# Altium PCB TC264MCUV02.PcbDoc (part 2 of 2)
Units mil, origin at the board's own origin, x right, y up, seen from the top; angles counter-clockwise.
Board outline 4656.68 x 3665.15 mil, 2 copper layers (Top Layer, Bottom Layer); 112 components, 118 nets, 482 pads, 140 vias.
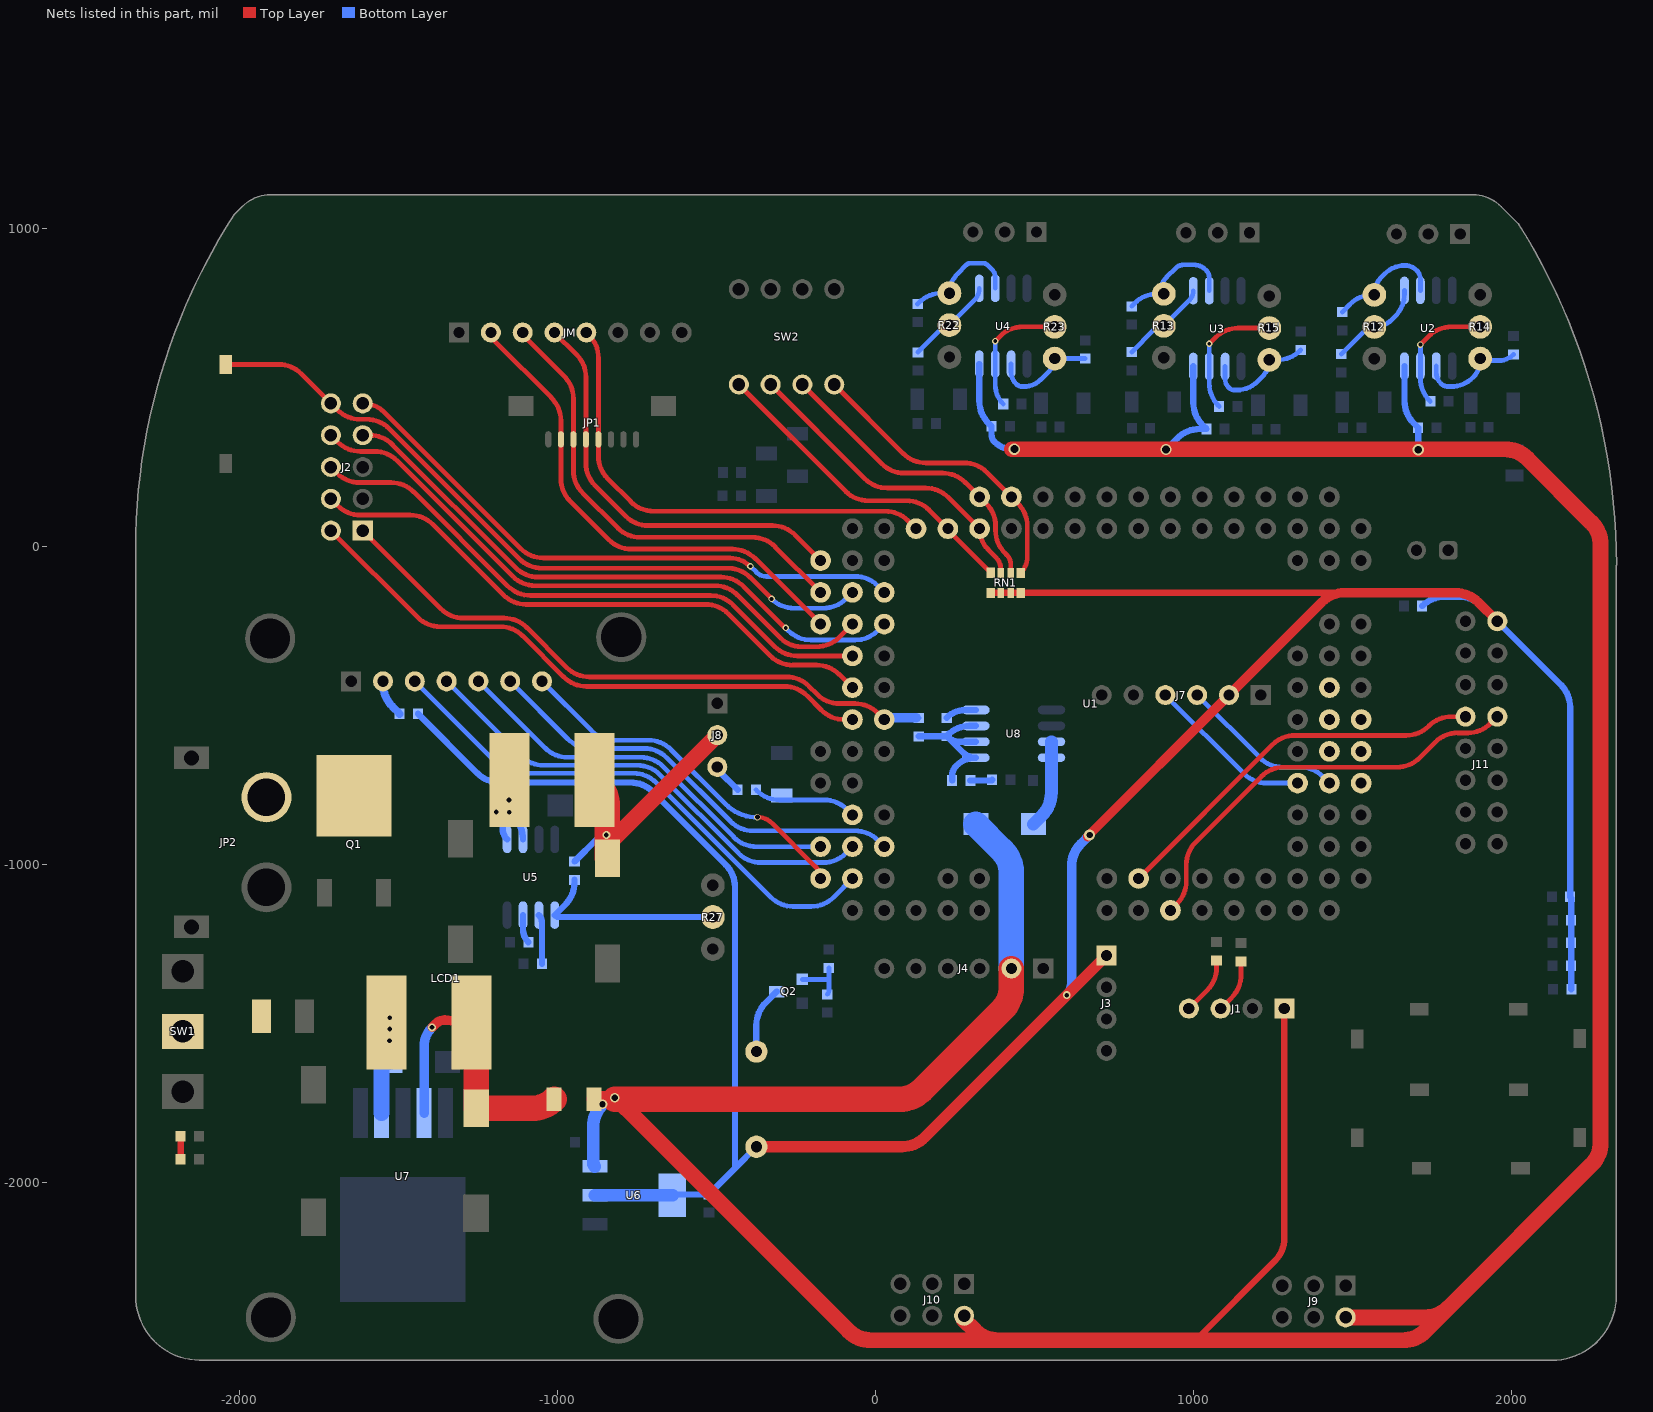
[diagram p2: the nets of this part, all layers, seen from the top]

## Via types
v1: diameter 25, hole 15, Top Layer to Bottom Layer, tented both sides, 119 vias
v2: diameter 20, hole 12, Top Layer to Bottom Layer, tented both sides, 14 vias
v3: diameter 35, hole 25, Top Layer to Bottom Layer, tented both sides, 3 vias
v4: diameter 30, hole 20, Top Layer to Bottom Layer, tented both sides, 2 vias
v5: diameter 35, hole 20, Top Layer to Bottom Layer, tented both sides, 1 vias
v6: diameter 20, hole 15, Top Layer to Bottom Layer, tented both sides, 1 vias

## Nets (pads, with @x,y where several pads share a name; then routed paths per layer and width w, separated by ;. In a path a pad name is that pad's centre, name@x,y a point inside that pad or via, vN(x,y) a via of type N, cw(c..) or ccw(c..) an arc to the next point about the centre after c; other vN are vias at no path point) (continued)
NetC16_1: C16.1 F2.1 L2.1 U7.4 | length 912.3
  Top Layer w30: v1(-1396,-1513) -1385.02,-1502.02 cw(c-1356,-1531.04) -1356,-1490 -1355.56,-1490 cw(c-1355.56,-1590) -1284.85,-1519.29 L2.1@-1282.14,-1522
  Top Layer w80: L2.1@-1282.14,-1522 cw(c-1342.84,-1582.7) -1257,-1582.7 C16.1@-1257,-1767.65 -1081.14,-1767.65 ccw(c-1081.14,-1669.84) F2.1@-1011.99,-1739
  Bottom Layer w30: U7.4@-1421,-1783 -1421,-1573.36 cw(c-1335.64,-1573.36) v1(-1396,-1513)
NetC17_2: C17.2 D12.2 U8.3 U8.4 | length 278.2
  Bottom Layer w40: D12.2@495,-874 521.71,-847.29 ccw(c451,-776.58) 551,-776.58 ccw(c548.59,-774.16) 552,-774.16 U8.4@552,-665 U8.3@552,-615
NetC18_1: C19.1 R38.1 R40.2 U8.5 U8.6 U8.7 | length 520.9
  Bottom Layer w20: R38.1@135,-598 219.59,-598 ccw(c219.59,-594.59) R40.2@222,-597 224.71,-594.29 cw(c295.42,-665) 295.42,-565 U8.7@314,-565 ; C19.1@239.52,-737 239.52,-721.9 cw(c283.99,-721.9) 252.54,-690.46 cw(c314,-751.91) U8.5@314,-665 cw(c314,-607.06) 273.03,-648.03 R40.2@222,-597 ccw(c265.46,-553.54) 265.46,-615 U8.6@314,-615
NetC19_2: C19.2 R41.2 | length 69.1
  Bottom Layer w20: C19.2@297,-737 360.69,-737 ccw(c360.69,-730.17) R41.2@365.52,-735
NetD10_2: D10.2 L1.1 U5.5 U5.6 | length 255.2
  Bottom Layer w20: D10.2@-1166.42,-825.87 cw(c-1181.92,-841.37) D10.2@-1160,-841.37 ; U5.5@-1160,-922 cw(c-1126.2,-888.2) -1174,-888.2 D10.2@-1174,-816 v1(-1153,-837) -1139.29,-850.71 cw(c-1210,-921.42) -1110,-921.42 U5.6@-1110,-922
  other v1: -1194,-836 -1154,-798
NetD11_A: D11.A R30.1 | length 72
  Top Layer w20: D11.A@-2186.74,-1928 R30.1@-2186.74,-1856
NetD13_2: D13.2 L2.2 U7.2 | length 304.4
  Bottom Layer w50: U7.2@-1554.86,-1783 -1554.86,-1652.04 cw(c-1510.96,-1652.04) D13.2@-1542,-1621 ; D13.2@-1529.1,-1622 v1(-1529.1,-1483.08)
  other v1: -1530,-1555 -1529,-1518
NetF1_1: F1.1 SW1.2
NetFM1_2: FM1.2 Q2.3 | length 211.1
  Bottom Layer w20: FM1.2@-376,-1589.4 -376,-1505.92 cw(c-276,-1505.92) -346.71,-1435.21 Q2.3@-312,-1400.5
NetJ1_3: J1.3 R3.2 | length 170.5
  Top Layer w15: J1.3@1084,-1454 1118.71,-1419.29 ccw(c1048,-1348.58) 1148,-1348.58 R3.2@1148,-1305.74
NetJ1_4: J1.4 R2.2 | length 183.3
  Top Layer w15: J1.4@984,-1454 1041.71,-1396.29 ccw(c971,-1325.58) 1071,-1325.58 R2.2@1071,-1302.48
NetJ6_2: 
NetJ8_3: J8.3 R7.2 | length 97.8
  Bottom Layer w20: J8.3@-499,-694 ccw(c-480.31,-694) -493.53,-707.21 R7.2@-434.74,-766
NetLCD1_2: LCD1.2 R1.2 | length 119.4
  Bottom Layer w25: LCD1.2@-1550.25,-425 -1550.25,-433.07 ccw(c-1450.25,-433.07) -1520.96,-503.78 R1.2@-1497.74,-527
NetQ2_1: Q2.1 R37.1 R39.1 | length 170.3
  Bottom Layer w15: Q2.1@-232,-1362.5 -161.28,-1362.5 cw(c-161.28,-1381.28) -148,-1368 ; R39.1@-153,-1409.26 ccw(c-165.07,-1397.19) -148,-1397.19 -148,-1368 ; R37.1@-148,-1325.74 -148,-1368
NetR8_2: R8.2 R12.2 U2.1 | length 302.9
  Bottom Layer w15: R8.2@1463,604.4 1534.92,676.32 cw(c1567,644.24) R12.2@1567,689.6 ccw(c1567,768.32) 1622.66,712.66 1632.71,722.71 ccw(c1562,793.42) 1662,793.42 U2.1@1662,804.4
NetR9_2: R9.2 R13.2 U3.1 | length 280.4
  Bottom Layer w15: R9.2@804,610.4 873.6,679.99 cw(c905,648.59) R13.2@905,693 985.7,773.7 ccw(c956,803.4) U3.1@998,803.4
NetR10_2: R10.2 R14.2 U2.7 | length 394.1
  Top Layer w15: v2(1712,634) 1738.71,660.71 cw(c1809.42,590) 1809.42,690 R14.2@1900,690
  Bottom Layer w15: v2(1712,634) U2.7@1712,566.4 1712,528.08 ccw(c1812,528.08) 1741.29,457.37 R10.2@1743.26,455.4
NetR11_2: R11.2 R15.2 U3.7 | length 416.5
  Top Layer w15: v2(1048,636.59) 1068.12,656.71 cw(c1138.84,586) 1138.84,686 R15.2@1237,686
  Bottom Layer w15: R11.2@1079.26,439.4 1077.29,441.37 cw(c1148,512.08) 1048,512.08 U3.7@1048,565.4 v2(1048,636.59) ; v2(1048,636.59) cw(c1051.41,636.59) 1049,639 1048,638 v2(1048,636.59)
NetR12_3: R12.3 R18.1 U2.2 | length 373.5
  Bottom Layer w15: R18.1@1466,736.4 1490.71,761.11 cw(c1561.42,690.4) 1561.42,790.4 R12.3@1567,790.4 cw(c1648.13,790.4) 1590.76,847.76 1599.28,856.28 cw(c1663.79,791.77) 1663.79,883 cw(c1663.79,831.79) 1700,868 cw(c1671.03,839.03) 1712,839.03 U2.2@1712,804.4
NetR13_3: R13.3 R19.1 U3.2 | length 369.4
  Bottom Layer w15: R19.1@804,754.4 814.11,764.5 cw(c884.82,693.79) 884.82,793.79 893,793.79 cw(c968.35,793.79) 915.07,847.07 942,874 cw(c968.56,847.44) 968.56,885 999,885 cw(c999,831.89) 1036.55,869.45 1039,867 cw(c1017.27,845.27) 1048,845.27 U3.2@1048,803.4
NetR14_1: R14.1 R16.2 U2.6 | length 339.3
  Bottom Layer w15: U2.6@1762,566.4 1762,545.8 ccw(c1809.8,545.8) 1776,512 ccw(c1800.14,536.14) 1800.14,502 1807.58,502 ccw(c1807.58,602) 1878.29,531.29 ccw(c1825.88,583.7) 1900,583.7 1958.62,583.7 ccw(c1958.62,649.29) R16.2@2005,602.91
NetR15_1: R15.1 R17.2 U3.6 | length 357.5
  Bottom Layer w15: U3.6@1098,565.4 1098,525.56 ccw(c1135.56,525.56) 1109,499 ccw(c1128.31,518.31) 1128.31,491 1134.82,491 ccw(c1134.82,583.18) 1200,518 1215.08,533.08 ccw(c1162.16,586) R15.1@1237,586 1263.18,586 ccw(c1263.18,686) 1333.89,615.29 R17.2@1336,617.4
NetR20_2: R20.2 R22.2 U4.1 | length 285.5
  Bottom Layer w15: R20.2@132,609.74 207.54,685.28 cw(c231,661.83) R22.2@231,695 309.45,773.45 ccw(c271.89,811) U4.1@325,811
NetR21_2: R21.2 R23.2 U4.7 | length 406.1
  Top Layer w15: v2(375,645) 390.71,660.71 cw(c461.42,590) 461.42,690 R23.2@562,690
  Bottom Layer w15: v2(375,645) U4.7@375,573 375,507.98 ccw(c461.24,507.98) R21.2@400.26,447
NetR22_3: R22.3 R25.1 U4.2 | length 368
  Bottom Layer w15: R25.1@131,762 135.5,766.5 cw(c206.21,695.79) 206.21,795.79 R22.3@231,795.79 cw(c316,795.79) 255.9,855.9 286,886 cw(c295.66,876.34) 295.66,890 335,890 cw(c335,865.86) 352.07,882.93 365,870 cw(c340.86,845.86) 375,845.86 U4.2@375,811
NetR23_1: R23.1 R24.2 U4.6 | length 330.2
  Bottom Layer w15: U4.6@425,573 425,548.63 ccw(c479.63,548.63) 441,510 ccw(c460.31,529.31) 460.31,502 464.89,502 ccw(c464.89,577.11) 518,524 546.45,552.45 ccw(c508.89,590) R23.1@562,590 R24.2@658,590
NetR27_2: R27.2 R28.2 U5.1 | length 631
  Bottom Layer w20: R28.2@-948,-1049 -948,-1056.58 cw(c-1048,-1056.58) -962.89,-1109.07 cw(c-1048,-1056.58) -977.29,-1127.29 U5.1@-1010,-1160 ccw(c-995.51,-1145.51) -995.51,-1166 R27.2@-513,-1166
NetR29_2: R29.2 U5.2 | length 155.6
  Bottom Layer w20: U5.2@-1060,-1160 cw(c-1083.51,-1183.51) -1050.26,-1183.51 R29.2@-1050.26,-1313
NetR31_2: R31.2 U5.3 | length 89.5
  Bottom Layer w20: U5.3@-1110,-1160 -1110,-1204.59 ccw(c-1052.85,-1204.59) R31.2@-1093.26,-1245
NetR40_1: R40.1 U8.8 | length 98.6
  Bottom Layer w20: R40.1@222,-539.52 cw(c281.2,-598.72) 281.2,-515 U8.8@314,-515
P00.2: U1.104
P00.3: U1.103
P00.5: U1.107
P00.6: U1.106
P00.9: U1.109
P02.8: U1.101
P11.2: J11.14 U1.79 | length 1225.9
  Top Layer w15: U1.79@826,-1045 1246.73,-624.27 cw(c1317.44,-694.98) 1317.44,-594.98 1667.6,-594.98 ccw(c1667.6,-494.98) 1738.31,-565.69 1738.71,-565.29 cw(c1809.42,-636) 1809.42,-536 J11.14@1854,-536
P11.3: J11.7 U1.80 | length 1333.5
  Top Layer w15: U1.80@926,-1145 946.69,-1124.31 ccw(c875.98,-1053.6) 975.98,-1053.6 975.98,-1001.44 cw(c1075.98,-1001.44) 1005.27,-930.73 1211.73,-724.27 cw(c1282.44,-794.98) 1282.44,-694.98 1638.6,-694.98 ccw(c1638.6,-594.98) 1709.31,-665.69 1758.71,-616.29 cw(c1829.42,-687) 1829.42,-587 1861.57,-587 ccw(c1861.57,-487) 1932.29,-557.71 J11.7@1954,-536
P14.0/TX: J2.4 U1.37 | length 1905.3
  Top Layer w15: J2.4@-1614,349 -1591.42,349 cw(c-1591.42,249) -1520.71,319.71 -1133.29,-67.71 ccw(c-1062.58,3) -1062.58,-97 -487.42,-97 cw(c-487.42,-197) -416.71,-126.29 v2@-285,-258
  Bottom Layer w15: v2(-284,-257) -275.31,-265.69 ccw(c-204.6,-194.98) -204.6,-294.98 -65.4,-294.98 ccw(c-65.4,-194.98) 5.31,-265.69 U1.37@26,-245
P14.1/RX: J2.5 U1.34 | length 1864.4
  Top Layer w15: J2.5@-1614,449 cw(c-1614,352.43) -1545.72,420.72 -1117.29,-7.71 ccw(c-1046.58,63) -1046.58,-37 -458.36,-37 cw(c-458.36,-122.36) v2@-398,-62
  Bottom Layer w15: v2(-395,-63) -375.51,-82.49 ccw(c-345.3,-52.27) -345.3,-95 -65.42,-95 cw(c-65.42,-195) 5.29,-124.29 U1.34@26,-145
PORST: J2.6 K1.A U1.33 | length 2279.1
  Top Layer w15: K1.A@-2045,571.51 -1877.93,571.51 cw(c-1877.93,471.51) -1807.22,542.22 J2.6@-1714,449 -1693.29,428.29 ccw(c-1622.58,499) -1622.58,399 -1601.42,399 cw(c-1601.42,299) -1530.71,369.71 -1121.29,-39.71 ccw(c-1050.58,31) -1050.58,-69 -466.42,-69 cw(c-466.42,-169) -444.05,-71.53 cw(c-466.42,-169) -395.71,-98.29 v2(-328.31,-165.69)
  Bottom Layer w15: v2(-328.31,-165.69) ccw(c-257.6,-94.98) -257.6,-194.98 -165.4,-194.98 ccw(c-165.4,-94.98) -94.69,-165.69 U1.33@-74,-145
PWM_MOTOR1+: JM.5 JP1.4 U1.24 | length 1505
  Top Layer w15: JM.5@-911,672 -902.03,663.03 cw(c-972.74,592.32) -872.74,592.32 JP1.4@-872.74,336 -872.74,283.16 ccw(c-772.74,283.16) -843.45,212.45 -770.29,139.29 ccw(c-699.58,210) -699.58,110 29.58,110 cw(c29.58,10) 100.29,80.71 U1.24@126,55
PWM_MOTOR1-: JM.4 JP1.5 U1.29 | length 1324.1
  Top Layer w15: JM.4@-1011,672 -941.4,602.4 cw(c-1012.11,531.69) -912.11,531.69 JP1.5@-912.11,336 -912.11,260.53 ccw(c-812.11,260.53) -882.82,189.82 -787.29,94.29 ccw(c-716.58,165) -716.58,65 -325.42,65 cw(c-325.42,-35) -254.71,35.71 U1.29@-174,-45
PWM_MOTOR2+: JM.3 JP1.6 U1.32 | length 1443.3
  Top Layer w15: JM.3@-1111,672 -1111,665.42 -980.77,535.19 cw(c-1051.48,464.48) -951.48,464.48 JP1.6@-951.48,336 -951.48,237.9 ccw(c-851.48,237.9) -922.19,167.19 -812.29,57.29 ccw(c-741.58,128) -741.58,28 -388.42,28 cw(c-388.42,-72) -317.71,-1.29 U1.32@-174,-145
PWM_MOTOR2-: JM.2 JP1.7 U1.35 | length 1563.5
  Top Layer w15: JM.2@-1211,672 ccw(c-1174.79,672) -1200.39,646.39 -1020.14,466.14 cw(c-1090.85,395.43) -990.85,395.43 JP1.7@-990.85,336 -990.85,212.27 ccw(c-890.85,212.27) -961.56,141.56 -840.29,20.29 ccw(c-769.58,91) -769.58,-9 -451.42,-9 cw(c-451.42,-109) -380.71,-38.29 -380,-39 -378.57,-39 -174,-243.57 U1.35@-174,-245
PWM_SERVOMOTOR: D3.1 R7.1 U1.54 | length 327.4
  Bottom Layer w15: R7.1@-377.26,-766 -374.55,-768.71 ccw(c-303.84,-698) -303.84,-798 -162.42,-798 cw(c-162.42,-898) -91.71,-827.29 U1.54@-74,-845
SW1: RN1.4 SW2.1 U1.22 | length 1043.2
  Top Layer w15: SW2.1@-431.24,508.49 -95.04,172.29 ccw(c-24.33,243) -24.33,143 96.58,143 cw(c96.58,43) 167.29,113.71 U1.22@226,55 ccw(c235.03,55) 228.64,48.62 RN1.4@360.76,-83.5
  Bottom Layer w15: SW2.1@-431.24,508.49 cw(c-414.97,508.49) SW2.1@-426.48,520
SW2: RN1.3 SW2.2 U1.20 | length 1004.7
  Top Layer w15: SW2.2@-331.24,508.49 -35.04,212.29 ccw(c35.67,283) 35.67,183 156.58,183 cw(c156.58,83) 227.29,153.71 U1.20@326,55 ccw(c420.15,55) 353.58,-11.58 378,-36 cw(c343.6,-70.41) 392.25,-70.41 RN1.3@392.25,-83.5
  Bottom Layer w15: SW2.2@-331.24,508.49 SW2.2@-325.28,514.45
SW3: RN1.2 SW2.3 U1.19 | length 969.3
  Top Layer w15: SW2.3@-231.24,508.49 17.96,259.29 ccw(c88.67,330) 88.67,230 209.58,230 cw(c209.58,130) 280.29,200.71 U1.19@326,155 346.73,134.27 cw(c276.02,63.56) 376.02,63.56 376.02,49.4 ccw(c476.02,49.4) 405.31,-21.31 412,-28 cw(c383.63,-56.37) 423.75,-56.37 RN1.2@423.75,-83.5
  Bottom Layer w15: SW2.3@-235.2,512.45 SW2.3@-231.24,508.49
SW4: RN1.1 SW2.4 U1.17 | length 972.1
  Top Layer w15: SW2.4@-131.24,508.49 85.96,291.29 ccw(c156.67,362) 156.67,262 277.58,262 cw(c277.58,162) 348.29,232.71 U1.17@426,155 446.71,134.29 cw(c376,63.58) 476,63.58 476,-33.39 cw(c405.12,-33.39) RN1.1@455.24,-83.51
  Bottom Layer w15: SW2.4@-137.43,523.43 cw(c-152.37,508.49) SW2.4@-131.24,508.49
TCK: J2.9 U1.42 | length 1860.2
  Top Layer w15: J2.9@-1714,149 -1692.29,127.29 ccw(c-1621.58,198) -1621.58,98 -1464.42,98 cw(c-1464.42,-2) -1393.71,68.71 -1171.29,-153.71 ccw(c-1100.58,-83) -1100.58,-183 -535.42,-183 cw(c-535.42,-283) -464.71,-212.29 -332.29,-344.71 ccw(c-261.58,-274) -261.58,-374 -186.42,-374 cw(c-186.42,-474) -115.71,-403.29 U1.42@-74,-445
TDO/P21.7: J2.8 U1.39 | length 1864.5
  Top Layer w15: J2.8@-1714,249 -1694.29,229.29 ccw(c-1623.58,300) -1623.58,200 -1524.42,200 cw(c-1524.42,100) -1453.71,170.71 -1157.29,-125.71 ccw(c-1086.58,-55) -1086.58,-155 -520.42,-155 cw(c-520.42,-255) -449.71,-184.29 -318.29,-315.71 ccw(c-247.58,-245) -247.58,-345 U1.39@-74,-345
TFT_CS: LCD1.3 U1.60 | length 1688.8
  Bottom Layer w15: LCD1.3@-1450.25,-425 -1190.54,-684.71 ccw(c-1119.83,-614) -1119.83,-714 -762.42,-714 cw(c-762.42,-814) -691.71,-743.29 -331.29,-1103.71 ccw(c-260.58,-1033) -260.58,-1133 -203.42,-1133 ccw(c-203.42,-1033) -132.71,-1103.71 U1.60@-74,-1045
TFT_D/C: LCD1.6 U1.58 | length 1374.4
  Bottom Layer w15: LCD1.6@-1150.25,-425 -968.54,-606.71 ccw(c-897.83,-536) -897.83,-636 -728.42,-636 cw(c-728.42,-736) -657.71,-665.29 -457.29,-865.71 ccw(c-386.58,-795) -386.58,-895 -65.42,-895 cw(c-65.42,-995) 5.29,-924.29 U1.58@26,-945
TFT_RST: LCD1.7 U1.59 | length 1126.9
  Top Layer w15: v6(-373,-852) cw(c-373,-917.18) -326.91,-871.09 -188.85,-1009.15 cw(c-224.7,-1045) U1.59@-174,-1045
  Bottom Layer w15: LCD1.7@-1050.25,-425 -894.54,-580.71 ccw(c-823.83,-510) -823.83,-610 -715.42,-610 cw(c-715.42,-710) -644.71,-639.29 -472.59,-811.41 ccw(c-372.18,-710.99) v6@-372.18,-853
TFT_SCK: LCD1.4 U1.57 | length 1515.9
  Bottom Layer w15: LCD1.4@-1350.25,-425 -1115.54,-659.71 ccw(c-1044.83,-589) -1044.83,-689 -750.42,-689 cw(c-750.42,-789) -679.71,-718.29 -432.29,-965.71 ccw(c-361.58,-895) -361.58,-995 -165.42,-995 ccw(c-165.42,-895) -94.71,-965.71 U1.57@-74,-945
TFT_SDI: LCD1.5 U1.56 | length 1278.7
  Bottom Layer w15: LCD1.5@-1250.25,-425 -1040.54,-634.71 ccw(c-969.83,-564) -969.83,-664 -739.42,-664 cw(c-739.42,-764) -668.71,-693.29 -446.29,-915.71 ccw(c-375.58,-845) -375.58,-945 U1.56@-174,-945
TMS: J2.10 U1.45 | length 1864.5
  Top Layer w15: J2.10@-1714,49 -1441.29,-223.71 ccw(c-1370.58,-153) -1370.58,-253 -1181.42,-253 cw(c-1181.42,-353) -1110.71,-282.29 -981.29,-411.71 ccw(c-910.58,-341) -910.58,-441 -287.42,-441 cw(c-287.42,-541) -216.71,-470.29 -171.29,-515.71 ccw(c-100.58,-445) -100.58,-545 U1.45@-74,-545
TOF_RXD: J7.3 U1.100 | length 522.1
  Bottom Layer w15: J7.3@1010,-468 1207.69,-665.69 ccw(c1278.4,-594.98) 1278.4,-694.98 1334.56,-694.98 cw(c1334.56,-794.98) 1405.27,-724.27 U1.100@1426,-745
TOF_TXD: J7.4 U1.99 | length 526.4
  Bottom Layer w15: J7.4@910,-468 1157.71,-715.71 ccw(c1228.42,-645) 1228.42,-745 U1.99@1326,-745
TRST: J2.7 U1.36 | length 1919.4
  Top Layer w15: J2.7@-1714,349 -1692.29,327.29 ccw(c-1621.57,398) -1621.57,298 -1576.42,298 cw(c-1576.42,198) -1505.71,268.71 -1142.29,-94.71 ccw(c-1071.58,-24) -1071.58,-124 -506.42,-124 cw(c-506.42,-224) -435.71,-153.29 -300,-289 ccw(c-234.82,-223.82) -234.82,-316 -186.42,-316 ccw(c-186.42,-216) -115.71,-286.71 U1.36@-74,-245
VCC3.3_MCU: J2.1 R38.2 U1.46 | length 1970.4
  Top Layer w15: J2.1@-1614,49 -1368.29,-196.71 ccw(c-1297.58,-126) -1297.58,-226 -1169.42,-226 cw(c-1169.42,-326) -1098.71,-255.29 -972.29,-381.71 ccw(c-901.58,-311) -901.58,-411 -281.37,-411 cw(c-281.37,-511) -210.66,-440.29 -185.22,-465.73 ccw(c-114.51,-395.02) -114.51,-495.02 -65.4,-495.02 cw(c-65.4,-595.02) 5.31,-524.31 U1.46@26,-545
  Bottom Layer w15: R38.2@124.18,-545 ccw(c124.18,-529.7) R38.2@135,-540.52
  Bottom Layer w30: U1.46@28,-540 R38.2@126.18,-540
VCC_3.3V: C13.1 FM1.1 J3.1 J7.2 J11.10 R1.1 R6.1 R32.2 R33.2 R34.2 R35.2 R36.2 RN1.5 RN1.6 RN1.7 RN1.8 U6.2 U6.4 | length 8838.6
  Top Layer w20: RN1.5@360.76,-146.49 RN1.7@423.75,-146.5 1472.93,-146.5
  Top Layer w30: v5(672,-908) 666,-914 cw(c670.83,-914) 667.41,-910.59 J7.2@1110,-468 1402.22,-175.78 cw(c1472.93,-246.5) 1472.93,-146.5 1823.07,-146.5 cw(c1823.07,-246.5) 1893.78,-175.78 J11.10@1954,-236
  Top Layer w35: FM1.1@-376,-1888.6 81.98,-1888.6 ccw(c81.98,-1788.6) 152.69,-1859.31 J3.1@725,-1287
  Bottom Layer w20: R1.1@-1440.26,-527 -1253.55,-713.71 ccw(c-1182.84,-643) -1182.84,-743 -772.42,-743 cw(c-772.42,-843) -701.71,-772.29 -472.69,-1001.31 cw(c-543.4,-1072.02) -443.4,-1072.02 -443.4,-1956 ; U6.4@-639.95,-2041 cw(c-633.96,-2046.99) -633.96,-2038.52 C13.1@-525,-2038.52 cw(c-522.78,-2038.52) -524.35,-2036.95 -443.4,-1956 ; FM1.1@-376,-1888.6 -443.4,-1956 ; R6.1@1717.74,-188 cw(c1787.75,-258.01) 1787.75,-159 1835.58,-159 cw(c1835.58,-259) 1906.29,-188.29 J11.10@1954,-236 2153.71,-435.71 cw(c2083,-506.42) 2183,-506.42 R34.2@2183,-1102 cw(c2173.97,-1111.03) 2186.74,-1111.03 2186.74,-1176 R35.2@2186.74,-1393
  Bottom Layer w30: v1(600,-1412) ccw(c563.79,-1375.79) 615,-1375.79 615,-1006.42 cw(c715,-1006.42) 644.29,-935.71 v5(672,-908)
  Bottom Layer w40: U6.2@-884.05,-2041 U6.4@-639.95,-2041
VCC_5V: C3.1 C4.1 C8.1 C12.1 D12.1 F2.2 J1.1 J4.2 J9.6 J10.6 U2.8 U3.8 U4.8 U6.3 | length 12369.6
  Top Layer w20: 996,-2497 ccw(c996,-2475.27) 1011.36,-2490.64 1254.71,-2247.29 ccw(c1184,-2176.58) 1284,-2176.58 J1.1@1284,-1454
  Top Layer w50: F2.2@-886,-1739 -856.42,-1739 cw(c-856.42,-1839) -785.71,-1768.29 -86.29,-2467.71 ccw(c-15.58,-2397) -15.58,-2497 382.42,-2497 ; J10.6@275,-2431 311.71,-2467.71 ccw(c382.42,-2397) 382.42,-2497 ; 390.29,-1464.71 396.71,-1458.29 ; v3@427,305 v3(435,305) 1977.58,305 cw(c1977.58,205) 2048.29,275.71 2249.71,74.29 cw(c2179,3.58) 2279,3.58 2279,-1874.58 cw(c2179,-1874.58) 2249.71,-1945.29 1799.29,-2395.71 ; J9.6@1477,-2425 1728.58,-2425 ccw(c1728.58,-2325) 1799.29,-2395.71 ; 382.42,-2497 996,-2497 1656.58,-2497 ccw(c1656.58,-2397) 1727.29,-2467.71 1799.29,-2395.71
  Top Layer w80: v4@-821,-1739 74.58,-1739 ccw(c74.58,-1639) 145.29,-1709.71 390.29,-1464.71 ; 396.71,-1458.29 ccw(c326,-1387.58) 426,-1387.58 J4.2@426,-1328
  Bottom Layer w20: U4.8@325,573 325,456.68 ccw(c425,456.68) 354.29,385.97 C8.1@363.26,377 363.26,350.1 ccw(c393.1,350.1) 372,329 372.67,328.33 ccw(c429,384.67) 429,305 v3(435,305) ; v3(912,304) 947.11,339.11 cw(c1017.82,268.39) 1017.82,368.39 C4.1@1039.26,368.39 1027.29,380.37 cw(c1098,451.08) 998,451.08 U3.8@998,565.4 ; U2.8@1662,566.4 1662,457.08 ccw(c1762,457.08) 1691.29,386.37 C3.1@1705.26,372.39 v3(1705.26,303.26)
  Bottom Layer w40: U6.3@-884.05,-1950.45 cw(c-871.46,-1937.86) -889.26,-1937.86 C12.1@-889.26,-1874 -889.26,-1825.68 cw(c-789.26,-1825.68) v4(-859.97,-1754.97)
  Bottom Layer w80: D12.1@313.9,-874 396.71,-956.81 cw(c326,-1027.52) 426,-1027.52 J4.2@426,-1328
  other v4: -821,-1734
VCC_SERVOMOTOR: C10.1 J8.2 L1.2 R28.1 | length 918.3
  Top Layer w50: C10.1@-845,-981.65 -845,-981.42 cw(c-745,-981.42) -815.71,-910.71 J8.2@-499,-594
  Top Layer w80: L1.2@-885.14,-735 -874.29,-745.85 cw(c-945,-816.56) -845,-816.56 C10.1@-845,-981.42
  Bottom Layer w20: R28.1@-948,-991.52 -876.13,-919.65 cw(c-848,-947.79) v1(-848,-908)
VEE: JP2.2 Q1.4
pads on no net: J9.3 J9.4 J10.3 J10.4 J11.1 J11.2 J11.13 J11.19 J11.20 JM.6 JP1.3 JP1.9 JP1.10 JP2.H LCD1.0 R12.1 R13.1 R14.3 R15.3 R22.1 R23.3 R27.3 SW1.1 U1.1 U1.3 U1.4 U1.6 U1.8 U1.15 U1.16 U1.18 U1.21 U1.23 U1.25 U1.26 U1.27 U1.28 U1.30 U1.31 U1.38 U1.41 U1.44 U1.47 U1.50 U1.51 U1.52 U1.53 U1.55 U1.63 U1.65 U1.66 U1.70 U1.71 U1.72 U1.73 U1.74 U1.75 U1.87 U1.90 U1.105 U1.108 U1.111 U1.112 U1.113 U1.114 U1.115 U1.116 U1.117 U1.118 U1.119 U1.120 U1.121 U1.122 U1.123 U1.124 U1.125 U1.126 U1.127
copper on no net: | length 2034.2
  Top Layer w10: 385,-2073 ccw(c435,-2073) 435,-2123 1025,-2123 ccw(c1025,-2073) 1075,-2073 1075,-1803 ccw(c1025,-1803) 1025,-1753 435,-1753 ccw(c435,-1803) 385,-1803 385,-2073

## Polygon pours and split planes (outlines as drawn)
GND on Top Layer "Top Layer-No Net" (solid, remove dead copper, pour order 62): 1978,243 cw(c1980.41,240.59) 1980.41,244 2036,244 2118.58,244 cw(c2118.58,144) 2189.29,214.71 2255,149 cw(c2197.06,91.06) 2279,91.06 2279,-188 2279,-2369.58 cw(c2179,-2369.58) 2249.71,-2440.29 2212,-2478 cw(c2151.64,-2417.64) 2151.64,-2503 1460,-2503 -2128.58,-2503 cw(c-2128.58,-2403) -2199.29,-2473.71 -2238,-2435 -2249.71,-2423.29 cw(c-2179,-2352.58) -2279,-2352.58 -2279,-2201 -2279,66.59 cw(c-2275.59,66.59) -2278,69 -1994,977 -1953.29,1017.71 cw(c-1882.58,947) -1882.58,1047 -691,1047 -195.42,1047 cw(c-195.42,947) -124.71,1017.71 -95,988 -46.29,939.29 cw(c-117,868.58) -17,868.58 -17,670 -17,367.42 ccw(c83,367.42) 12.29,296.71 49,260
AGND on Top Layer "Top Layer-No Net" (solid, remove dead copper, pour order 60): 1862,266 1926,266 2009.58,266 ccw(c2009.58,366) 2080.29,295.29 2103,318 ccw(c2076.44,344.56) 2114,344.56 2114,418 2114,780.58 ccw(c2014,780.58) 2084.71,851.29 2080,856 1902.29,1033.71 ccw(c1831.58,963) 1831.58,1063 1632,1063 261.42,1063 ccw(c261.42,963) 190.71,1033.71 93,936 84.29,927.29 ccw(c155,856.58) 55,856.58 55,496 55,386.42 ccw(c155,386.42) 84.29,315.71 131,269
DC_POWERIN on Top Layer "Top Layer-No Net" (solid, remove dead copper, pour order 36): -2248,-1408 -2087,-1408 -1701,-1181 -1696.29,-1176.29 ccw(c-1767,-1105.58) -1667,-1105.58 -1667,-1079 ccw(c-1734.6,-1079) -1686.8,-1031.2 -1722,-996 -1727.71,-990.29 ccw(c-1798.42,-1061) -1798.42,-961 -1961,-961 -1980.58,-961 ccw(c-1980.58,-1061) -2051.29,-990.29 -2257,-1196 ccw(c-2240.1,-1212.9) -2264,-1212.9 -2264,-1393
VEE on Top Layer "Top Layer-No Net" (solid, remove dead copper, pour order 38): -1521,-912 -1966.58,-912 cw(c-1966.58,-812) -2037.29,-882.71 -2060,-860 cw(c-2038.27,-838.27) -2069,-838.27 -2069,-759 -2069,-748.42 cw(c-1969,-748.42) -2039.71,-677.71 -2019,-657 -1999.29,-637.29 cw(c-1928.58,-708) -1928.58,-608 -1589,-608 cw(c-1589,-663.53) -1549.74,-624.26 -1522,-652
NetF1_1 on Top Layer "Top Layer-No Net" (solid, remove dead copper, pour order 40): -2274,-1518 -2274,-1576 ccw(c-2249.86,-1576) -2266.93,-1593.07 -2261,-1599 ccw(c-2219.96,-1557.96) -2219.96,-1616 -2112,-1616 -1990.42,-1616 ccw(c-1990.42,-1516) -1919.71,-1586.71 -1887,-1554 ccw(c-1908.73,-1532.27) -1878,-1532.27 -1878,-1471 -1878,-1427.21 ccw(c-1929.21,-1427.21) -1893,-1391 ccw(c-1912.31,-1410.31) -1912.31,-1383 -1937,-1383 -1968.58,-1383 ccw(c-1968.58,-1483) -2039.29,-1412.29 -2052,-1425 cw(c-2076.14,-1400.86) -2076.14,-1435 -2187,-1435 -2198.58,-1435 ccw(c-2198.58,-1535) -2269.29,-1464.29 -2273,-1468
7.2V on Top Layer "Top Layer-No Net" (solid, remove dead copper, pour order 42): -1827,-1392 ccw(c-1773.89,-1445.11) -1849,-1445.11 -1849,-1472 -1849,-1669.58 ccw(c-1749,-1669.58) -1819.71,-1740.29 -1807,-1753 ccw(c-1804.59,-1750.59) -1804.59,-1754 -1726,-1754 ccw(c-1726,-1744.34) -1719.17,-1751.17 -1712,-1744 ccw(c-1743.38,-1712.62) -1699,-1712.62 -1699,-1525 -1699,-1465.42 ccw(c-1799,-1465.42) -1728.29,-1394.71 -1736,-1387 ccw(c-1752.9,-1403.9) -1752.9,-1380 -1815,-1380
7.2V on Top Layer "Top Layer-No Net" (solid, remove dead copper, pour order 48): -1271,-1310 -1229.73,-1310 ccw(c-1229.73,-1279.27) -1208,-1301 ccw(c-1222.49,-1286.51) -1202,-1286.51 -1202,-1274 -1202,-1175.31 ccw(c-1229.31,-1175.31) -1210,-1156 ccw(c-1224.49,-1170.49) -1224.49,-1150 -1230,-1150 -1270.59,-1150 ccw(c-1270.59,-1153.41) -1273,-1151
GND on Bottom Layer "Top Layer-No Net" (solid, remove dead copper, pour order 64): 1919,243 1990,243 1990.58,243 cw(c1990.58,143) 2061.29,213.71 2063,212 2248.71,26.29 cw(c2178,-44.42) 2278,-44.42 2278,-261 2278,-2386.58 cw(c2178,-2386.58) 2248.71,-2457.29 2201,-2505 cw(c2162.37,-2466.37) 2162.37,-2521 2024,-2521 -2105.58,-2521 cw(c-2105.58,-2421) -2176.29,-2491.71 -2274,-2394 cw(c-2257.1,-2377.1) -2281,-2377.1 -2281,-2179 -2281,64.17 cw(c-2274.17,64.17) -2279,69 -1993,975 -1949.29,1018.71 cw(c-1878.58,948) -1878.58,1048 -1747,1048 -197.42,1048 cw(c-197.42,948) -126.71,1018.71 -46,938 cw(c-113.6,870.4) -18,870.4 -18,684 -18,367.42 ccw(c82,367.42) 11.29,296.71 31,277 ccw(c57.56,303.56) 57.56,266 71,266
AGND on Bottom Layer "Top Layer-No Net" (solid, remove dead copper, pour order 58): 1936,267 2026.13,267 ccw(c2026.13,331.87) 2072,286 2082.71,296.71 ccw(c2012,367.42) 2112,367.42 2112,667 2112,780.58 ccw(c2012,780.58) 2082.71,851.29 1943,991 1898.29,1035.71 ccw(c1827.58,965) 1827.58,1065 1463,1065 260.42,1065 ccw(c260.42,965) 189.71,1035.71 171,1017 84.29,930.29 ccw(c155,859.58) 55,859.58 55,405 55,386.42 ccw(c155,386.42) 84.29,315.71 130,270
7.2V on Bottom Layer "Top Layer-No Net" (solid, remove dead copper, pour order 44): -1599,-1705 -1599,-1862.93 cw(c-1616.07,-1862.93) -1604,-1875 cw(c-1620.9,-1858.1) -1620.9,-1882 -1670,-1882 -1714.06,-1882 cw(c-1714.06,-1800.06) -1772,-1858 cw(c-1752.69,-1838.69) -1780,-1838.69 -1780,-1781 -1780,-1740.21 cw(c-1728.79,-1740.21) -1765,-1704
7.2V on Bottom Layer "Top Layer-No Net" (solid, remove dead copper, pour order 46): -1147,-1128 cw(c-1163.9,-1144.9) -1140,-1144.9 -1140,-1254 cw(c-1159.31,-1254) -1145.66,-1267.66 -1147,-1269 cw(c-1159.07,-1256.93) -1159.07,-1274 -1211,-1274 -1225.69,-1274 cw(c-1225.69,-1246.69) -1245,-1266 cw(c-1232.93,-1253.93) -1250,-1253.93 -1250,-1149 cw(c-1225.86,-1149) -1242.93,-1131.93 -1242,-1131 cw(c-1200.96,-1172.04) -1200.96,-1114 -1156,-1114

## Keep-outs
Keep-Out Layer:
  circle w10: c-2131.89,-2240.16 r68.9
  circle w10: c2131.89,0 r68.9
  circle w10: c-2131.89,0 r68.9
  circle w10: c2131.89,-2240.16 r68.9
  lines w10: -2322.83,0 -2322.83,-2358 ccw(c-2125.98,-2358) -2125.98,-2554.85 ; -2322.72,-25.26 cw(c-404,-4) -2013.78,1040.29 -1989.43,1064.64 cw(c-1904.07,979.29) -1904.07,1100 -1535.43,1100 1535.43,1100 1877.08,1100 cw(c1877.08,979.29) 1962.44,1064.64 2017.37,1009.71 cw(c307.09,-59) 2323.82,-59 ; -2125.98,-2555.12 2126,-2555.12 ccw(c2126,-2358.27) 2322.85,-2358.27 2322.83,-59 ; 1523.84,1549.51 1525.06,1548.59 ; -1092.43,786.02 cw(c-1092.43,825.39) -1092.43,864.76 -694.06,864.76 cw(c-694.06,825.39) -694.06,786.02 -1092.43,786.02

## Other copper
Top Layer:
  rectangle net GND: -1840,-2205 -1697,-2024
  rectangle net GND: -1594,-1159 -1501,-1018
  text "帝江" at 485,-1993 h250
  text "CQUPT-2020.07" at 410,-2098 h100

## Silkscreen, mask and mechanical layers (free items; w line width, h text height)
Top Overlay:
  lines w10: 2005.49,-686.76 2005.49,-686.51 2035.73,-716.76 ; 2006.24,-938 2006.24,-937.76 2036.49,-968 ; 2008,-688 2038.24,-657.76 ; 2008.49,-434.76 2008.49,-434.51 2038.73,-464.76 ; 2008.76,-939.24 2039,-909 ; 2010.24,-686.76 2093.24,-686.76 ; 2011,-938 2094,-938 ; 2011,-436 2041.24,-405.76 ; 2013.24,-434.76 2096.24,-434.76
  text "LC6" at 125,984 h80
  text "LC5" at 568,964 h80
  text "LC3" at 1241,962 h80
  text "LC2" at 1457,962 h80
  text "LC4" at 795,961 h80
  text "LC1" at 1899,958 h80
  text "GND" at -1389,731 h80
  text "ADC" at -690,729 h60
  text "M2" at -1188,727 h60
  text "M1" at -983,727 h60
  text "复位" at -2125,630 h120
  text "JLCJLCJLCJLC" at -1068,498 h60
  text "GND" at 1830,26 h80 r90
  text "GND" at 1867,-168 h80 r90
  text "3.3V" at 1992,-172 h80 r90
  text "GND" at -436,-520 h80
  text "GND" at -1715,-537 h80
  text "负极" at -2275,-567 h100
  text "神眼摄像头" at 1755,-921 h120 r90
  text "ICM20602" at -10,-1281 h100
  text "3.3V" at 786,-1303 h60
  text "5V" at 1268,-1392 h80
  text "GND" at 781,-1417 h80
  text "CS" at 42,-1443 h60 r90
  text "5V" at 445,-1444 h60 r90
  text "SCL" at 350,-1466 h60 r90
  text "SDI" at 250,-1467 h60 r90
  text "SDO" at 149,-1470 h60 r90
  text "GND" at 559,-1500 h80 r90
  text "SCL" at 784,-1509 h60
  text "蓝牙" at 1160,-1594 h100
  text "SDA" at 784,-1607 h60
  text "MPU6050" at 668,-1649 h120 r90
  text "BT_RX" at 999,-1657 h60 r90
  text "BT_TX" at 1114,-1659 h60 r90
  text "编码器1" at 1712,-2501 h150
  text "编码器1" at -634,-2523 h150
Bottom Overlay:
  text "GND" at 1193,-396 h80 r270
  text "3.3V" at 1083,-409 h80 r270
  text "GND" at 438,-2352 h80
  text "GND" at 1638,-2358 h80
  text "5V" at 406,-2446 h80
  text "5V" at 1610,-2451 h80
Top Paste:
  lines w10: 440,-1753 435,-1753 ; 435,-1753 ccw(c435,-1803) 385,-1803 385,-2073 ccw(c435,-2073) 435,-2123 1025,-2123 ccw(c1025,-2073) 1075,-2073 1075,-1803 ccw(c1025,-1803) 1025,-1753 435,-1753
  text "帝江" at 485,-1993 h250
  text "CQUPT-2020.07" at 410,-2098 h100
Top Solder:
  lines w10: 565,-1753 1025,-1753 cw(c1025,-1803) 1075,-1803 1075,-2073 cw(c1025,-2073) 1025,-2123 435,-2123 cw(c435,-2073) 385,-2073 385,-1803 cw(c435,-1803) 435,-1753 580,-1753
  text "帝江" at 485,-1993 h250
  text "CQUPT-2020.07" at 410,-2098 h100

## Text inside footprints (layer, text, board x,y; h text height)
SW2: Top Overlay "4" at -131.24,568.49 h19.68 r180; Top Overlay "3" at -236.14,568.83 h19.68 r180; Top Overlay "2" at -337.24,569.33 h19.68 r180; Top Overlay "1" at -435.04,569.13 h19.68 r180; Top Overlay "ON" at -457.24,728.74 h31.5